# Altium PCB openmv-ae3.PcbDoc (part 2 of 7) (continued)
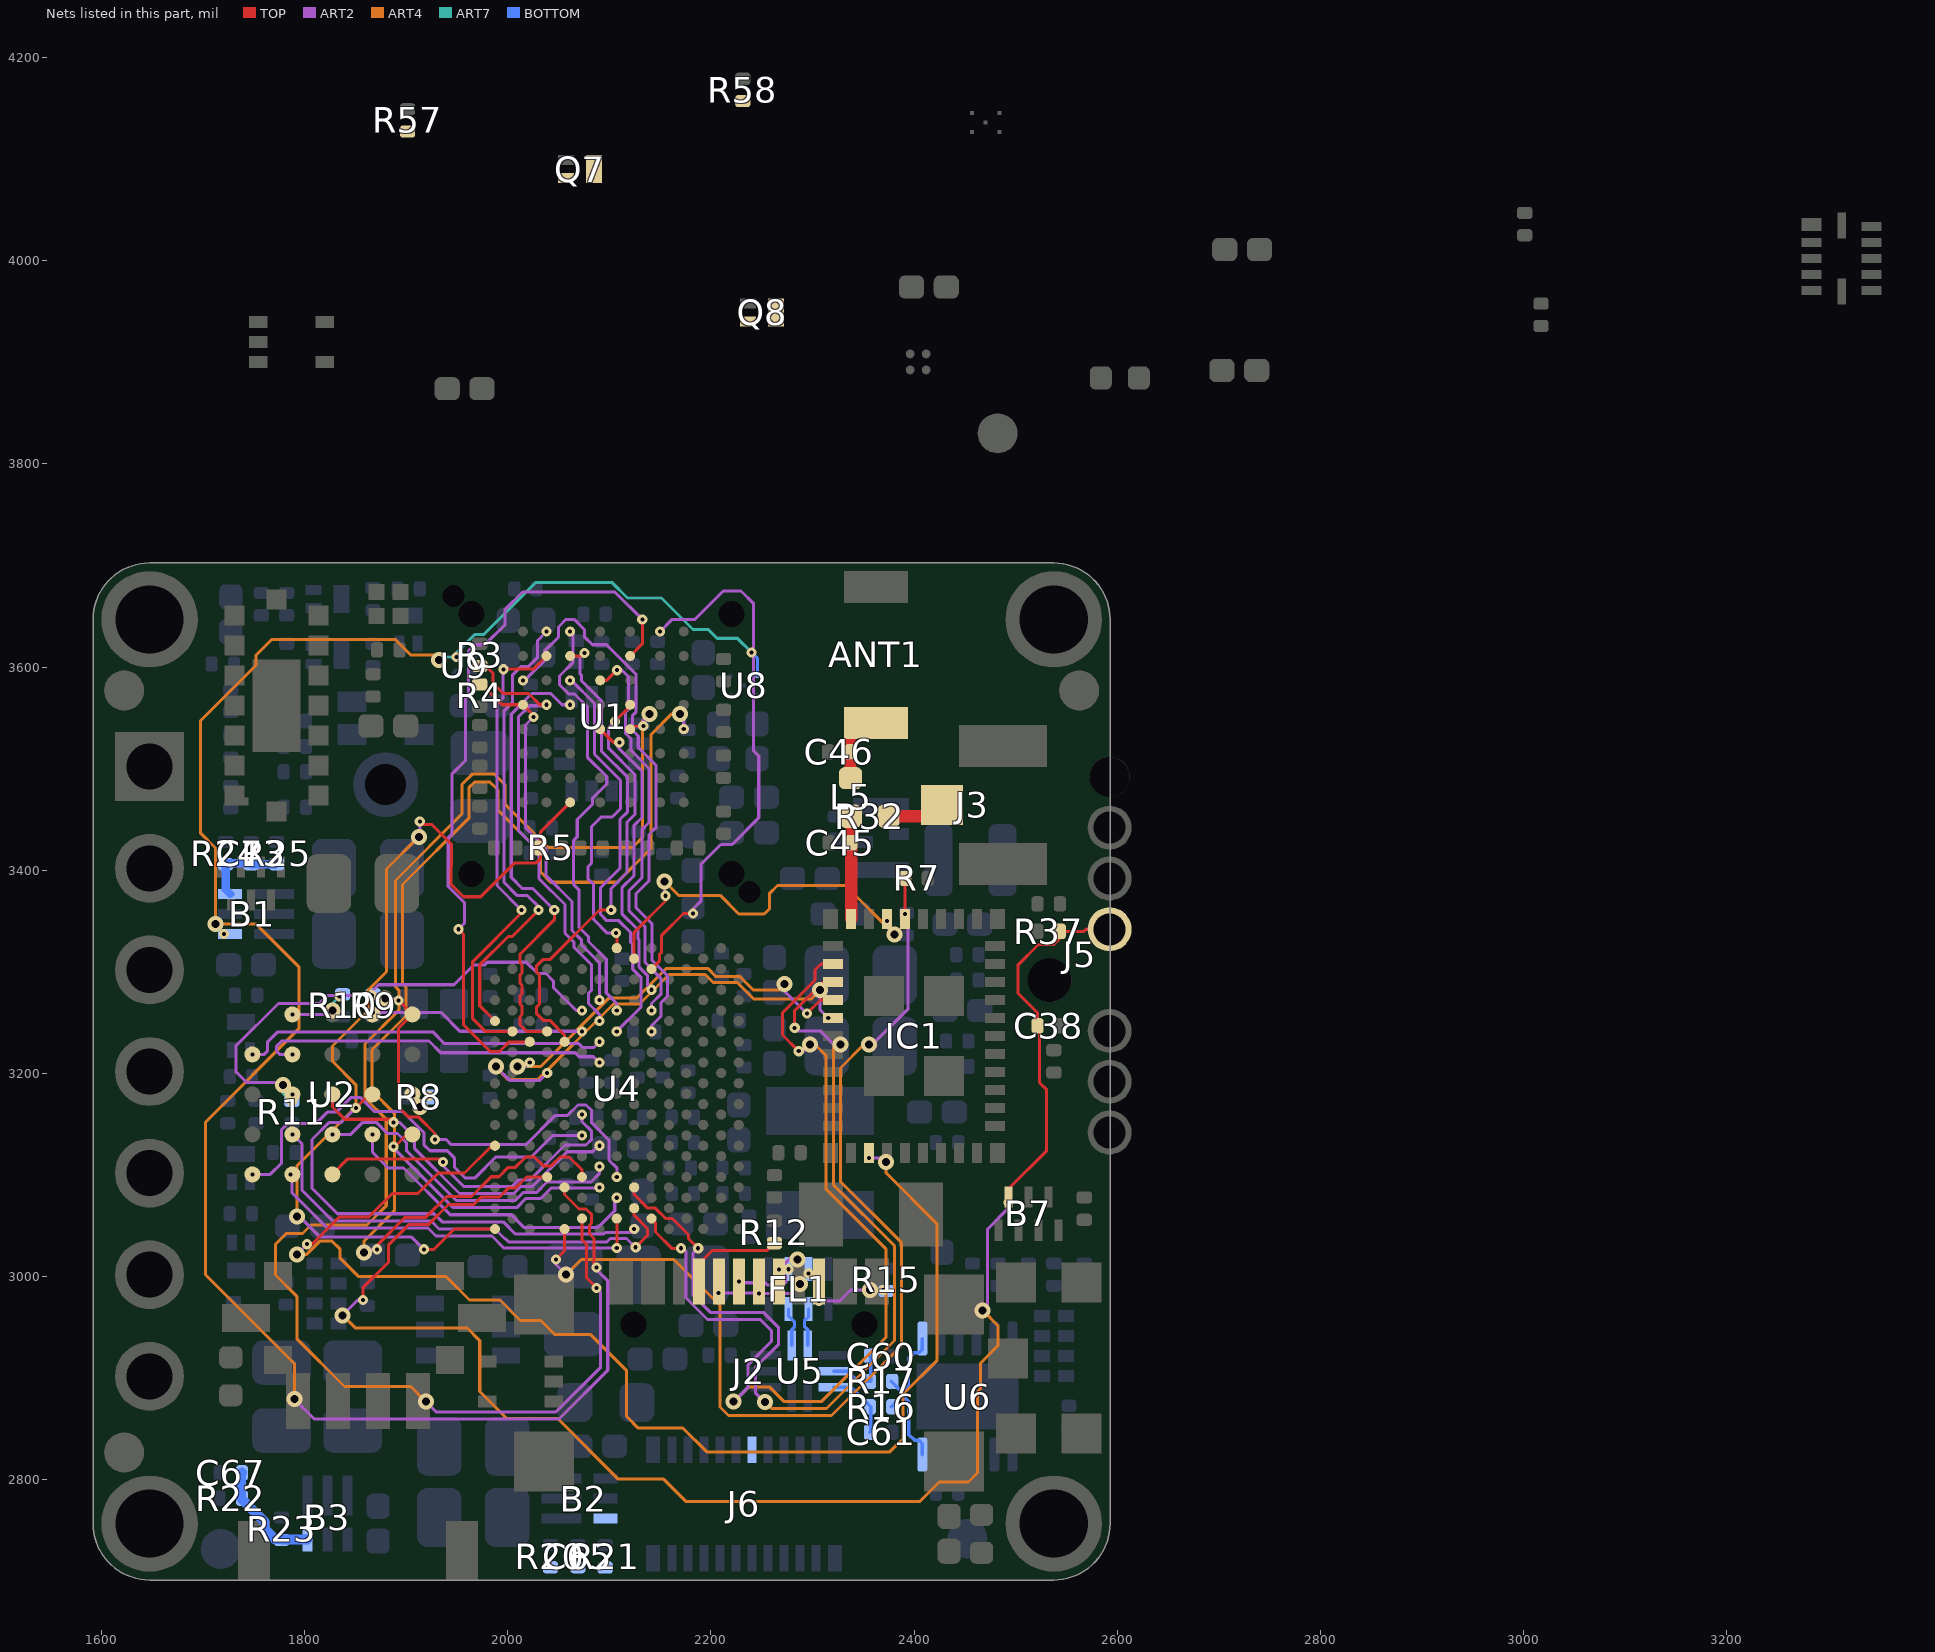
[diagram p8: the nets of this part, all layers, seen from the top]
## Part data (continued)
U4: library part E7_B0_CSP_208, "IC,Alif E7 MCU, Rev B silicon,CSP208", Manufacturer 1="Alif Semi", Manufacturer Part Number 1=AE722F80F55D5AS, MPN=AE302F80F55D5AE, Part Number=AE302F80F55D5AE
U5: library part TC7USB42MU,LF(S2E, MF=Toshiba, MPN=TC7USB42MU,LF(S2E, Part Number=TC7USB42MU,LF(S2E
U6: library part FT234XD-T, "USB Bridge, USB to UART USB 2.0 UART Interface 12-DFN _3x3_", MF=FTDI,, MPN=FT234XD-T, Part Number=FT234XD-T
U7: library part LSM6DSMTR, "Accelerometer, Gyroscope, Temperature, 6 Axis Sensor IÂ²C, SPI Output", PACKAGE="VFLGA-14 STMicroelectronics", AVAILABILITY=Unavailable, Component Type=Standard, Design Item ID=LSM6DSMTR, MF=STMicroelectronics, MP=LSM6DSMTR, MPN=LSM6DSMTR, Part Number=LSM6DSMTR, Pin Count=14, PRICE=None, SnapEDA_Link=https://www.snapeda.com/parts/LSM6DSMTR/STMicroelectronics/view-part/581716/?ref=snap, Source=SnapEDAsch.SchLib
U9 U10: library part AP22916CCA4-7, MF="Diodes Inc", MPN=AP22916CCA4-7, Part Number=AP22916CCA4-7
X1: "2.0X1.6X0.65MM 38.4MHZ CRYSTAL", MANUFACTURER_NAME="Murata Electronics", Datasheet Link=http://www.murata.com/products/productdata/8801066811422/SPEC-XRCGB38M400F4M00R0.pdf, Geometry.Height=0.7mm, MANUFACTURER_PART_NUMBER=XRCGB38M400F4M00R0, MPN=XRCGB38M400F4M00R0, Part Number=XRCGB38M400F4M00R0
Y1: library part SIT1533AI-H4-AA3-32.768E, "Crystal or Oscillator", MANUFACTURER_NAME=SiTime, Mouser Part Number=788-1533AIH4DCC32.76, Arrow Part Number=SiT1533AI-H4-DCC-32.768E, Datasheet Link=https://www.mouser.com/datasheet/2/371/SiT1533_datasheet-1324419.pdf, HEIGHT=0.6mm, MANUFACTURER_PART_NUMBER=SiT1533AI-H4-DCC-32.768E, Mouser Price/Stock=https://www.mouser.com/ProductDetail/SiTime/SiT1533AI-H4-DCC-32.768E?qs=5SDzjInHUKoUZz9ePr9JwA%3D%3D, MPN=SiT1533AI-H4-DCC-32.768E, Part Number=SiT1533AI-H4-DCC-32.768E
Y2: library part ABS07-32.768KHZ-7-T, "Check availability", PACKAGE="SMD-2 Abracon LLC", AVAILABILITY="In Stock", DeviceSetName=ABS07-32.768KHZ-7-T, GateName_1=G$1, LibraryName=ABS07-32.768KHZ-7-T, MF=Abracon, MP=ABS07-32.768KHZ-7-T, MPN=SC32S-7PF20PPM, Part Number=SC32S-7PF20PPM, PRICE=None, PURCHASE-URL=https://pricing.snapeda.com/search/part/ABS07-32.768KHZ-7-T/?ref=eda, SymbolName_1=ABS07-32.768KHZ-7-T
S2: MPN=KMS231GLFS, Part Number=KMS231GLFS
U1: MF=PixArt, MPN=PAG7936

## Free pads (board coordinates)
  round 95 hole 67: 1(1647.44,2756.91) 1(1647.44,3646.91) 1(2537.44,2756.91) 1(2537.44,3646.91)

## Via types
v1: diameter 10, hole 4, TOP to ART2, tented both sides, 779 vias
v2: diameter 10, hole 4, ART7 to BOTTOM, tented both sides, 590 vias
v3: diameter 15.75, hole 7.87, ART2 to ART7, 342 vias
v4: diameter 10, hole 4, ART7 to BOTTOM, tented bottom, 41 vias
v5: diameter 15.75, hole 7.87, TOP to BOTTOM, tented both sides, 13 vias
v6: diameter 10, hole 4, TOP to BOTTOM, tented both sides, 1 vias

## Nets (pads, with @x,y where several pads share a name; then routed paths per layer and width w, separated by ;. In a path a pad name is that pad's centre, name@x,y a point inside that pad or via, vN(x,y) a via of type N, cw(c..) or ccw(c..) an arc to the next point about the centre after c; other vN are vias at no path point)
ANT: C45.1 IC1.41 L5.2 R32.2 | length 101.4
  TOP w12: R32.2@2337.4,3453.16 2338.03,3452.53 C45.1@2338.03,3427.03 2338.03,3352.17 IC1.41@2337.93,3352.07
BL_USB_D_2_N: C60.2 R17.2 U5.4 | length 66.1
  BOTTOM w3.4: U5.4@2320.85,2906.91 2334.44,2906.91 2344.44,2896.91 2357.44,2896.91 2357.44,2920.91 C60.2@2356.44,2921.91
BL_USB_D_2_P: C61.2 R16.2 U5.5 | length 70
  BOTTOM w3.4: U5.5@2320.85,2891.16 2338.19,2891.16 2357.44,2871.91 2357.44,2847.91 C61.2@2356.44,2846.91
BL_USB_D_N: R17.1 U6.1 | length 76.6
  BOTTOM w3.4: R17.1@2377.44,2896.91 2385.44,2888.91 2390.44,2888.91 2394.44,2892.91 2394.44,2919.51 2399.84,2924.91 2404.75,2924.91 2408.15,2928.31 U6.1@2408.15,2939
BL_USB_D_P: R16.1 U6.12 | length 82.5
  BOTTOM w3.4: R16.1@2377.44,2871.91 2386.13,2880.6 2390.94,2880.6 2394.84,2876.7 2394.84,2844.51 2400.44,2838.91 2404.75,2838.91 2408.15,2835.51 U6.12@2408.15,2824.82
BT_D_WAKE: IC1.39 U4.J27 | length 384.8
  TOP w3: U4.J27@2124.45,3313.05 2124.45,3338.93 2155.81,3370.29 2155.81,3374.54 v1(2155.44,3374.91)
  ART2 w3: v3(2154.44,3388.91) 2154.44,3377.91 2155.44,3376.91 v1(2155.44,3374.91) ; v1(2373.44,3349.91) 2373.44,3343.91 v3(2380.44,3336.91)
  ART4 w3: v3(2154.44,3388.91) 2168.06,3375.29 2209.06,3375.29 2227.44,3356.91 2252.44,3356.91 2257.44,3361.91 2257.44,3376.91 2265.44,3384.91 2332.44,3384.91 v3(2380.44,3336.91)
BT_H_WAKE: IC1.38 R7.2 U4.E1 | length 1063.9
  TOP w3: v1(2047.44,3016.91) 2055.94,3025.41 U4.E1@2055.94,3046.91 ; IC1.38@2391.08,3352.07 v1(2391.08,3357.07) 2391.08,3390.55 R7.2@2392.44,3391.91
  ART2 w3: v1(2047.44,3016.91) 2047.44,3011.91 v3(2057.44,3001.91) ; v3(2355.44,3228.4) 2358.92,3228.4 2394.07,3263.55 2394.07,3354.08 v1(2391.08,3357.07)
  ART4 w3: v3(2057.44,3001.91) 2072.44,3016.91 2163.44,3016.91 2208.83,2971.52 2208.83,2871.6 2217.2,2863.23 2318.76,2863.23 2387.69,2932.16 2387.69,3033.23 2327.44,3093.48 2327.44,3205.4 2350.44,3228.4 v3(2355.44,3228.4)
BT_REG_ON: IC1.14 U4.A9 | length 1290.1
  TOP w3: v1(1802.44,3031.91) 1807.44,3031.91 1834.44,3058.91 1863.44,3058.91 1886.44,3081.91 1911.54,3081.91 1931.54,3101.91 1957.54,3101.91 1984.43,3128.8 U4.A9@1987.44,3128.8
  ART2 w3: v3(1792.44,3021.91) v1(1802.44,3031.91) ; v1(2355.44,3116.91) 2368.44,3116.91 v3(2372.44,3112.91)
  ART4 w3: v3(1792.44,3021.91) 1802.14,3021.91 1815.52,3035.29 1826.6,3035.29 1835.06,3026.83 1835.06,3018.21 1853.36,2999.91 1939.44,2999.91 1962.44,2976.91 1992.44,2976.91 2012.44,2956.91 2032.54,2956.91 2046.54,2942.91 2081.64,2942.91 2117.06,2907.49 2117.06,2862.37 2128.52,2850.91 2172.56,2850.91 2195.94,2827.53 2376,2827.53 2389.12,2840.65 2389.12,2884.09 2422.69,2917.66 2422.69,3051.66 2372.44,3101.91 v3(2372.44,3112.91)
BT_UART_CTS_N: IC1.5 U4.D16 | length 476.1
  TOP w3: v1(2315.44,3254.63) IC1.5@2320.22,3254.63
  ART2 w3: v3(1988.44,3206.91) 2002.44,3192.91 2031.28,3192.91 v1(2038.82,3200.45) ; v3(2307.44,3281.91) 2307.44,3262.63 v1(2315.44,3254.63)
  ART4 w3: v3(1988.44,3206.91) 1988.44,3205.91 2000.44,3193.91 2029.67,3193.91 2104.17,3268.41 2129.74,3268.41 2158.74,3297.41 2194.32,3297.41 2202.44,3289.29 2226.05,3289.29 2242.06,3273.3 2298.83,3273.3 v3(2307.44,3281.91)
BT_UART_RTS_N: IC1.4 U4.C17 | length 398.2
  TOP w3: v1(2294.44,3258.91) 2307.87,3272.34 IC1.4@2320.22,3272.34
  ART2 w3: v3(2009.44,3206.91) 2017.91,3206.91 v1(2021.69,3210.69) ; v3(2272.44,3287.91) 2272.44,3280.91 v1(2294.44,3258.91)
  ART4 w3: v3(2009.44,3206.91) 2032.44,3206.91 2099.94,3274.41 2127.25,3274.41 2156.25,3303.41 2196.81,3303.41 2204.93,3295.29 2228.56,3295.29 2241.94,3281.91 2267.44,3281.91 2272.44,3286.91 v3(2272.44,3287.91)
BT_UART_RX: IC1.3 U4.J5 | length 924.2
  TOP w3: U4.J5@2124.45,3087.85 2124.45,3080.82 2137.9,3067.37 2145.27,3067.37 2155.49,3057.15 2161.9,3057.15 2177.94,3041.11 2177.94,3037.41 v1(2187.44,3027.91) ; v1(2282.44,3244.91) 2282.44,3261.91 2310.59,3290.06 IC1.3@2320.22,3290.06
  ART2 w3: v1(2187.44,3027.91) 2182.44,3022.91 2182.44,2981.91 2199.47,2964.88 2251.55,2964.88 2266.64,2949.79 2266.64,2933.45 2243.66,2910.47 2243.66,2885.69 2252.74,2876.61 v3(2253.4,2876.61) ; v1(2282.44,3244.91) 2285.44,3241.91 2307.45,3241.91 2320.96,3228.4 v3(2327.44,3228.4)
  ART4 w3: v3(2253.4,2876.61) 2259.78,2870.23 2313.76,2870.23 2380.69,2937.16 2380.69,3030.33 2320.44,3090.58 2320.44,3225.4 2323.44,3228.4 v3(2327.44,3228.4)
BT_UART_TX: IC1.2 U4.K2 | length 925.3
  TOP w3: U4.K2@2141.57,3057.15 2145.44,3053.28 2145.44,3043.91 2161.44,3027.91 v1(2170.44,3027.91) ; v1(2286.44,3221.91) 2270.44,3237.91 2270.44,3259.81 2302.44,3291.81 2302.44,3301.91 2308.31,3307.78 IC1.2@2320.22,3307.78
  ART2 w3: v1(2170.44,3027.91) 2172.44,3027.91 2175.44,3024.91 2175.44,2979.01 2196.57,2957.88 2248.64,2957.88 2259.64,2946.88 2259.64,2936.35 2236.66,2913.37 2236.66,2891.13 v3(2222.44,2876.91) ; v1(2286.44,3221.91) 2290.95,3221.91 v3(2297.44,3228.4)
  ART4 w3: v3(2222.44,2876.91) 2237.07,2891.54 2257.39,2891.54 2271.7,2877.23 2309.09,2877.23 2372.44,2940.58 2372.44,3026.91 2313.44,3085.91 2313.44,3217.4 2302.44,3228.4 v3(2297.44,3228.4)
CC1: J2.A5 R12.2 | length 99.9
  TOP w3: J2.A5@2188.23,2995.37 2188.23,3012.7 2201.44,3025.91 2255.44,3025.91 R12.2@2262.44,3032.91
CC2: J2.B5 R15.2 | length 87.1
  TOP w3: J2.B5@2306.34,2995.37 2306.34,2978.01 2306.44,2977.91 v1(2306.44,2975.91)
  ART2 w3: v1(2306.44,2975.91) 2326.44,2975.91 2337.44,2986.91 v3(2356.44,2986.91)
  ART7 w3: v3(2356.44,2986.91) v2(2369.44,2986.91)
D1_N: FL1.3 J2.A7 J2.B7 | length 98.1
  ART2 w3.1: v1(2207.44,2983.91) 2246.75,2983.91 v1(2247.28,2983.38) 2277.91,2983.38 v3(2287.44,2992.91)
  ART7 w3.1: v3(2287.44,2992.91) 2296.12,3001.59 v2(2296.12,3003.29)
D1_P: FL1.2 J2.A6 J2.B6 | length 113.4
  TOP w3.1: J2.B6@2266.97,2995.37 v1(2266.97,3006.91)
  ART2 w3.1: v1(2227.6,2995.37) 2229.04,2993.93 2253.33,2993.93 2255.53,2991.73 2270.94,2991.73 2274.05,2994.84 2274.05,2999.83 v1(2266.97,3006.91) 2278.97,3018.91 2283.44,3018.91 v3(2285.44,3016.91)
  ART7 w3.1: v2(2276.44,3007.29) 2285.44,3016.29 v3(2285.44,3016.91)
D2_N: FL1.6 U5.2 | length 38.7
  BOTTOM w3.1: U5.2@2295.31,2932.32 2295.31,2947.88 2291.94,2951.25 2291.94,2956.41 2296.12,2960.59 FL1.6@2296.12,2967.91
D2_P: FL1.7 U5.1 | length 39.2
  BOTTOM w3.1: FL1.7@2276.44,2967.91 2276.44,2960.91 2282.32,2955.03 2282.32,2950.63 2279.57,2947.88 U5.1@2279.57,2932.32
DCMI_CLK: U1.C1 U4.K20 | length 564
  ART2 w3: v1(2014.99,3586.88) 2016.87,3586.88 2036.44,3606.45 2036.44,3615.91 2049.94,3629.41 2049.94,3639.41 2057.44,3646.91 2065.44,3646.91 2075.44,3636.91 2075.44,3629.91 2083.44,3621.91 2097.3,3621.91 2126.06,3593.15 2126.06,3555.53 2122.94,3552.41 2122.94,3537.55 2128.44,3532.05 2128.44,3520.75 2146.07,3503.12 2146.07,3442.26 2138.94,3435.13 2138.94,3389.53 2126.32,3376.91 2126.32,3363.11 2142.06,3347.37 2142.06,3311.29 2157.44,3295.91 2157.44,3276.28 2151.07,3269.91 2151.07,3256.54 2141.57,3247.04 v1(2141.57,3241.4)
DCMI_D0: U1.B5 U4.C19 | length 723.5
  TOP w3: v1(1951.44,3341.91) 1956.44,3336.91 1956.44,3247.91 1982.69,3221.66 1991.86,3221.66 2001.36,3231.16 U4.C19@2021.69,3231.16 ; U1.B5@2120.5,3610.9 2132.44,3622.84 v1(2132.44,3646.91)
  ART2 w3: v1(1951.44,3341.91) 1957.44,3347.91 1957.44,3367.91 1941.44,3383.91 1941.44,3431.91 1944.94,3435.41 1944.94,3494.42 1958.51,3507.99 1958.51,3568.98 1961.44,3571.91 1961.44,3615.91 1967.44,3621.91 1977.44,3621.91 1997.44,3641.91 1997.44,3656.91 2014.44,3673.91 2105.44,3673.91 v1(2132.44,3646.91)
DCMI_D1: U1.D5 U4.E19 | length 419.9
  TOP w3: U4.E19@2055.94,3231.16 2055.94,3237.72 2041.75,3251.91 2035.34,3251.91 2028.1,3259.15 2028.1,3265.08 2031.19,3268.17 2031.19,3297.01 2028.11,3300.09 2028.11,3305.55 2034.88,3312.32 2041.77,3312.32 2090.36,3360.91 v1(2101.82,3360.91) ; v1(2105.44,3546.45) 2120.5,3561.51 U1.D5@2120.5,3562.87
  ART2 w3: v1(2101.82,3360.91) 2101.82,3382.11 2117.48,3397.77 2117.48,3447.22 2125.07,3454.81 2125.07,3494.28 2099.33,3520.02 2099.33,3540.34 v1(2105.44,3546.45)
DCMI_D2: U1.B2 U4.B20 | length 469
  TOP w3: v1(1995.75,3597.78) 1996.48,3598.51 2000.84,3598.51 2001.44,3597.91 2025.22,3597.91 U1.B2@2038.21,3610.9 ; U4.B20@2004.57,3241.4 1977.95,3241.4 1965.44,3253.91 1965.44,3309.91 2013.44,3357.91 v1(2013.44,3360.91)
  ART2 w3: v1(1995.75,3597.78) 1995.49,3597.52 1995.49,3569.96 1989.44,3563.91 1989.44,3384.91 v1(2013.44,3360.91)
DCMI_D3: U1.A2 U4.A21 | length 457.4
  TOP w3: U4.A21@1987.44,3251.63 1972.44,3266.63 1972.44,3306.91 2000.19,3334.66 2004.19,3334.66 v1(2030.44,3360.91)
  ART2 w3: v1(2030.44,3360.91) 2030.44,3363.91 2019.44,3374.91 2009.44,3374.91 1996.44,3387.91 1996.44,3556.91 2004.49,3564.96 2004.49,3591.96 2012.91,3600.38 2020.22,3600.38 2029.44,3609.6 2029.44,3626.15 v1(2038.21,3634.92)
DCMI_D4: U1.D3 U4.D20 | length 448.3
  TOP w3: U4.D20@2038.82,3241.4 2018.48,3241.4 2012.19,3247.69 2012.19,3256.05 2014.07,3257.93 2014.07,3266.29 2012.19,3268.17 2012.19,3276.52 2014.07,3278.4 2014.07,3286.76 2012.19,3288.64 2012.19,3297 2014.07,3298.88 2014.07,3306.76 2012.19,3308.64 2012.19,3317.5 2045.82,3351.13 v1(2045.82,3360.91)
  ART2 w3: v1(2045.82,3360.91) 2024.82,3381.91 2014.58,3381.91 2003.44,3393.05 2003.44,3553.67 2023.68,3573.91 2042.44,3573.91 2053.48,3562.87 v1(2061.44,3562.87)
DCMI_D5: U1.C3 U4.H28 | length 321.2
  TOP w3: v1(2106.64,3338.1) 2107.32,3337.42 U4.H28@2107.32,3323.32
  ART2 w3: v1(2061.44,3586.88) 2062.47,3586.88 2085.33,3564.02 2085.33,3514.22 2111.07,3488.48 2111.07,3460.61 2102.83,3452.37 2091.98,3452.37 2082.44,3442.83 2082.44,3406.91 2078.94,3403.41 2078.94,3391.56 2084.32,3386.18 2084.32,3351.72 2097.94,3338.1 v1(2106.64,3338.1)
DCMI_D6: U1.A3 U4.H22 | length 433.2
  ART2 w3: v1(2061.44,3634.92) 2064.06,3632.3 2064.06,3604.36 2050.94,3591.24 2050.94,3582.53 2060.1,3573.37 2065.8,3573.37 2078.33,3560.84 2078.33,3511.32 2097.44,3492.21 2097.44,3484.91 2083.44,3470.91 2083.44,3464.91 2068.44,3449.91 2068.44,3432.91 2064.94,3429.41 2064.94,3385.76 2070.32,3380.38 2070.32,3343.64 2079.44,3334.52 2079.44,3329.91 2096.94,3312.41 2096.94,3279.28 2107.32,3268.9 v1(2107.32,3261.87)
DCMI_D7: U1.B3 U4.H20 | length 453.6
  TOP w3: U1.B3@2061.44,3610.9 2072.43,3610.9 v1(2075.44,3613.91)
  ART2 w3: v1(2075.44,3613.91) 2071.06,3609.53 2071.06,3593.29 2072.44,3591.91 2072.44,3586.81 2092.33,3566.92 2092.33,3517.12 2118.07,3491.38 2118.07,3457.71 2110.48,3450.12 2110.48,3401.91 2091.32,3382.75 2091.32,3356.56 2097.47,3350.41 2109.32,3350.41 2121.06,3338.67 2121.06,3328.91 2123.06,3326.91 2123.06,3302.57 2131.34,3294.29 2131.34,3265.42 v1(2107.32,3241.4)
DCMI_GPIO0: U1.E5 U4.F2 | length 1573.7
  TOP w3: U4.F2@2073.07,3057.15 2073.07,3036.28 2077.44,3031.91 2077.44,2998.91 v1(2087.44,2988.91) ; U1.E5@2120.5,3538.85 2123.06,3541.58 v1(2133.44,3541.91)
  ART2 w3: v3(1919.44,2876.91) 1929.44,2866.91 2047.44,2866.91 2091.44,2910.91 2091.44,2984.91 v1(2087.44,2988.91) ; v1(2133.44,3541.91) 2133.44,3547.91 v3(2139.44,3553.91)
  ART4 w3: v3(1919.44,2876.91) 1904.44,2891.91 1839.25,2891.91 1792.44,2938.72 1792.44,2980.6 1771.44,3001.6 1771.44,3031.91 1781.94,3042.41 1797.94,3042.41 1806.44,3050.91 1861.44,3050.91 1880.44,3069.91 1880.44,3154.91 1859.44,3175.91 1859.44,3228.91 1892.82,3262.29 1892.82,3281.91 1889.44,3285.29 1889.44,3389.91 1955.06,3455.53 1955.06,3484.54 1965.43,3494.91 1986.45,3494.91 1997.44,3483.92 1997.44,3464.64 2039.79,3422.29 2122.82,3422.29 2132.44,3431.91 2132.44,3546.91 v3(2139.44,3553.91)
DCMI_GPIO1: U1.E7 U4.F6 | length 1221.2
  TOP w3: v1(1871.44,3026.91) 1872.44,3027.91 1872.44,3031.91 1898.94,3058.41 1919.34,3058.41 1939.84,3078.91 1964.34,3078.91 1983.72,3098.29 1991.33,3098.29 2000.63,3107.59 2007.51,3107.59 2017.75,3117.83 2026.11,3117.83 2034.88,3109.06 2042.76,3109.06 2051.53,3117.83 2060.36,3117.83 2073.07,3105.12 U4.F6@2073.07,3098.09
  ART2 w3: v3(1858.44,3023.91) 1861.44,3026.91 v1(1871.44,3026.91) ; v3(2169.44,3553.91) 2173.25,3550.1 v1(2173.25,3538.85)
  ART4 w3: v3(1858.44,3023.91) 1858.44,3034.91 1888.44,3064.91 1888.44,3160.91 1866.44,3182.91 1866.44,3223.18 1899.82,3256.56 1899.82,3284.81 1896.44,3288.19 1896.44,3385.91 1962.06,3451.53 1962.06,3481.53 1967.44,3486.91 1982.44,3486.91 1990.44,3478.91 1990.44,3458.91 2032.44,3416.91 2032.44,3398.17 2042.44,3388.17 2107.89,3388.17 2141.06,3421.34 2141.06,3533.44 2161.53,3553.91 v3(2169.44,3553.91)
DCMI_HSYNC: U1.A6 U4.K26 | length 531.2
  TOP w3: U4.K26@2141.57,3302.82 2149.2,3310.45 2149.2,3316.99 2151.44,3319.23 2151.44,3335.91 2172.94,3357.41 v1(2182.44,3357.41)
  ART2 w3: v1(2150.03,3634.92) 2162.02,3646.91 2184.24,3646.91 2212.24,3674.91 2229.54,3674.91 2242.06,3662.39 2242.06,3517.39 2247.06,3512.39 2247.06,3451.53 2220.9,3425.37 2209.7,3425.37 2194.7,3410.38 2190.44,3406.12 2190.44,3369.91 2182.44,3361.91 v1(2182.44,3357.41)
DCMI_PCLK: U1.C4 U4.K22 | length 399.5
  TOP w3: U1.C4@2090.97,3586.88 2097.41,3586.88 v1(2107.44,3596.91)
  ART2 w3: v1(2107.44,3596.91) 2112.4,3596.91 2119.06,3590.25 2119.06,3558.43 2115.94,3555.31 2115.94,3534.65 2121.44,3529.15 2121.44,3517.85 2139.07,3500.22 2139.07,3446.91 2131.94,3439.78 2131.94,3392.43 2119.32,3379.81 2119.32,3360.21 2135.06,3344.47 2135.06,3309.29 2151.07,3293.28 2151.07,3278.4 2141.57,3268.9 v1(2141.57,3261.87)
DCMI_PWDN_N: B1.1 U4.E5 U8.3 U9.B2 | length 2036.5
  TOP w3: U4.E5@2055.94,3087.85 2055.94,3080.82 2070.11,3066.65 2077.01,3066.65 2082.57,3061.09 2082.57,3052.72 2080.44,3050.59 2080.44,3041.91 2084.82,3037.53 2084.82,3011.53 v1(2087.44,3008.91)
  ART2 w3: v3(1789.94,2879.41) 1809.44,2859.91 2050.44,2859.91 2098.44,2907.91 2098.44,2995.91 2087.44,3006.91 v1(2087.44,3008.91)
  ART4 w3: v3(1789.94,2879.41) 1789.94,2914.41 1702.44,3001.91 1702.44,3151.91 1794.44,3243.91 1794.44,3304.91 1752.44,3346.91 v3(1712.44,3346.91) 1712.44,3421.91 1697.44,3436.91 1697.44,3546.91 1752.44,3601.91 1752.44,3611.91 1767.44,3626.91 1889.44,3626.91 1904.44,3611.91 1927.44,3611.91 v3(1932.44,3606.91)
  ART7 w3: v3(1712.44,3346.91) 1712.44,3345.64 v2(1720.85,3337.23) ; v3(1932.44,3606.91) 1935.31,3609.78 v2(1949.57,3609.78) 1949.57,3614.04 1967.6,3632.07 1976.45,3632.07 2027.79,3683.41 2102.44,3683.41 2117.87,3667.98 2151.37,3667.98 2182.44,3636.91 2197.44,3636.91 2206.02,3628.33 2226.02,3628.33 v2(2239.94,3614.41)
  BOTTOM w3: v2(2239.94,3614.41) 2245.83,3608.52 U8.3@2245.83,3591.36
DCMI_RST_N: R5.2 U1.H3 U4.A1 | length 930.5
  TOP w3: v1(1913.44,3447.91) 1916.44,3444.91 1925.44,3444.91 1944.44,3425.91 1944.44,3403.91 1944.2,3402.7 1944.2,3386.12 1956.41,3373.91 1973.44,3373.91 2006.44,3406.91 2027.44,3406.91 2032.44,3411.91 2032.44,3421.91 2032.44,3437.8 U1.H3@2061.44,3466.8 ; v1(1917.44,3026.91) 1927.44,3026.91 1947.44,3046.91 U4.A1@1987.44,3046.91
  ART2 w3: v3(1792.44,3058.98) 1795.37,3058.98 1815.44,3038.91 1905.44,3038.91 v1(1917.44,3026.91) ; v3(1912.44,3432.91) 1913.44,3433.91 v1(1913.44,3447.91)
  ART4 w3: v3(1792.44,3058.98) 1792.44,3108.91 1850.44,3166.91 1850.44,3188.91 1827.44,3211.91 1827.44,3226.91 1862.44,3261.91 1862.44,3281.91 1880.72,3300.19 1880.72,3401.19 v3(1912.44,3432.91)
DCMI_SCL: Q8.2 R3.1 U1.D2 | length 455.3
  TOP w3: R3.1@1972.44,3601.91 1977.44,3601.91 1985.44,3593.91 1985.44,3583.91 1995.44,3573.91 2020.45,3573.91 2031.49,3562.87 v1(2038.21,3562.87)
  ART2 w3: v1(2038.21,3562.87) 2037.25,3561.91 2021.58,3561.91 2010.44,3550.77 2010.44,3439.01 2030.83,3418.62 2030.83,3391.76 2056.32,3366.27 2056.32,3338.04 2065.44,3328.92 2065.44,3323.91 2082.57,3306.78 2082.57,3282.04 2079.46,3278.93 2079.46,3268.92 2090.2,3258.18 v1(2090.2,3251.63)
DCMI_SCL_INT: Q8.3 R58.1 U4.G21
DCMI_SDA: Q7.2 R4.1 U1.D1 | length 379
  TOP w3: R4.1@1972.44,3581.91 1975.44,3581.91 1994.48,3562.87 U1.D1@2014.99,3562.87 2025.44,3552.42 v1(2025.44,3550.91)
  ART2 w3: v1(2025.44,3550.91) 2017.44,3542.91 2017.44,3441.91 2037.83,3421.52 2037.83,3394.66 2063.32,3369.17 2063.32,3340.73 2072.44,3331.61 2072.44,3326.91 2090.2,3309.15 v1(2090.2,3272.11)
DCMI_SDA_INT: Q7.3 R57.1 U4.G23
DCMI_VSYNC: U1.E4 U4.K24 | length 298.2
  TOP w3: U1.E4@2090.97,3538.85 2103.91,3525.91 v1(2109.83,3525.91)
  ART2 w3: v1(2109.83,3525.91) 2108.78,3524.86 2108.78,3520.61 2132.07,3497.32 2132.07,3451.91 2124.48,3444.32 2124.48,3394.87 2112.32,3382.71 2112.32,3357.31 2128.06,3341.57 2128.06,3332.91 2129.06,3331.91 2129.06,3305.06 2137.34,3296.78 2137.34,3286.57 v1(2141.57,3282.34)
DEBUG_RST_N: B7.7 C38.2 J5.3 J6.11 R37.1 U4.D6 | length 1678.4
  TOP w3: v1(1857.44,2976.91) 1857.44,2988.91 1882.44,3013.91 1882.44,3030.76 1903.09,3051.41 1922.24,3051.41 1941.74,3070.91 1966.44,3070.91 1973.88,3078.35 1991.86,3078.35 2000.63,3087.12 2007.52,3087.12 2018.49,3098.09 U4.D6@2038.82,3098.09 ; v1(2492.76,3072.91) B7.7@2492.76,3078.25 2492.76,3086.23 2530.44,3123.91 2530.44,3183.91 2523.44,3190.91 2523.44,3244.91 C38.2@2521.44,3246.91 2521.44,3259.71 2502.01,3279.14 2502.01,3306.48 2522.44,3326.91 2537.44,3326.91 2542.44,3331.91 2542.44,3339.91 2567.28,3339.91 2569.28,3341.91 2582.44,3341.91 J5.3@2592.44,3341.91
  ART2 w3: v3(1837.44,2961.91) 1852.44,2976.91 v1(1857.44,2976.91) ; v3(2467.44,2966.91) 2472.41,2971.88 2472.41,3046.88 2492.76,3067.23 v1(2492.76,3072.91)
  ART4 w3: v3(1837.44,2961.91) 1849.81,2949.54 1959.81,2949.54 1972.44,2936.91 1972.44,2886.91 1998.82,2860.53 2049.02,2860.53 2108.88,2800.67 2153.5,2800.67 2175.64,2778.53 2405.28,2778.53 2424.66,2797.91 2453.44,2797.91 2462.44,2806.91 2462.44,2886.91 2465.44,2889.91 2465.44,2914.91 2482.44,2931.91 2482.44,2951.91 v3(2467.44,2966.91)
FB_1V2: B1.3 C73.1 R24.1 R25.2 | length 83
  BOTTOM w8: B1.3@1726.85,3376.59 1722.44,3381 1722.44,3406.91 1746.44,3406.91 C73.1@1747.44,3405.91 1771.44,3405.91 R25.2@1772.44,3406.91
FB_1V8: B3.3 C67.1 R22.2 R23.2 | length 111.6
  BOTTOM w10: C67.1@1738.44,2806.91 1737.44,2805.91 1737.44,2781.91 1760.44,2758.91 1760.44,2751.91 1770.44,2741.91 1777.44,2741.91 1778.03,2741.32 B3.3@1802.76,2741.32
FB_3V3: B2.3 C65.1 R20.1 R21.2
FEED: ANT1.1 C46.1 L5.1 | length 72.6
  TOP w12: L5.1@2337.44,3490.61 2337.44,3516.4 C46.1@2337.26,3516.58 2337.26,3532.98 2349.26,3544.98 ANT1.1@2362.44,3544.98
FEED_DNP: J3.1 R32.1 | length 57.3
  TOP w12: R32.1@2374.8,3453.16 2416.15,3453.16 J3.1@2427.4,3464.41
FLASH_CS#: R11.1 U2.C2 U4.F22 | length 508.3
  ART2 w3: v1(1788.07,3179.41) v3(1779.01,3188.47) 1776.56,3190.92 1743.43,3190.92 1732.44,3201.91 1732.44,3226.91 1774.44,3268.91 1814.44,3268.91 1822.44,3276.91 1862.44,3276.91 1872.82,3287.29 1947.2,3287.29 1966.82,3306.91 1977.44,3306.91 1979.94,3309.41 2018.3,3309.41 2029.42,3298.29 2037.57,3298.29 2044.82,3291.04 2044.82,3284.53 2067.48,3261.87 v1(2073.07,3261.87)
  ART7 w3: v3(1779.01,3188.47) 1779.01,3180.34 v2(1787.44,3171.91)
FLASH_D0: U2.D3 U4.G7 | length 322.2
  ART2 w3: v1(1827.44,3140.04) 1845.56,3140.04 1857.43,3151.91 1870.44,3151.91 1881.44,3140.91 1891.44,3140.91 1900.44,3131.91 1900.44,3123.91 1949.44,3074.91 2007.29,3074.91 2015.26,3082.88 2028.41,3082.88 2038.65,3093.12 2082.03,3093.12 2090.2,3101.29 v1(2090.2,3108.33)
FLASH_D1: U2.D2 U4.J3 | length 462.2
  TOP w3: U4.J3@2124.45,3067.38 2124.45,3060.35 2137.44,3047.36 2137.44,3040.41 v1(2125.94,3028.91)
  ART2 w3: v1(1788.07,3140.04) 1797.44,3130.67 1797.44,3084.91 1827.44,3054.91 1924.44,3054.91 1932.44,3046.91 1987.44,3046.91 1996.82,3037.53 1997.44,3037.53 2000.94,3034.03 2097.44,3034.03 2100.94,3037.53 2116.82,3037.53 2125.44,3028.91 v1(2125.94,3028.91)
FLASH_D2: U2.C4 U4.J1 | length 463.5
  TOP w3: v1(1850.44,3165.91) 1863.94,3179.41 U2.C4@1866.81,3179.41
  ART2 w3: v1(1850.44,3165.91) 1836.44,3151.91 1824.44,3151.91 1807.44,3134.91 1807.44,3086.91 1832.44,3061.91 1927.44,3061.91 1935.44,3053.91 1995.44,3053.91 2007.44,3041.91 2094.44,3041.91 2096.06,3043.53 2121.07,3043.53 v1(2124.45,3046.91)
FLASH_D3: U2.D4 U4.H4 | length 307.1
  ART2 w3: v1(1866.81,3140.04) 1866.81,3122.54 1882.44,3106.91 1897.44,3106.91 1943.44,3060.91 2003.41,3060.91 2015.79,3048.53 2089.06,3048.53 2105.32,3064.79 2105.32,3075.62 v1(2107.32,3077.62)
FLASH_D4: U2.D5 U4.G5 | length 259.9
  TOP w3: v1(1887.44,3127.91) 1891.98,3131.09 1900.93,3140.04 U2.D5@1906.18,3140.04
  ART2 w3: v1(1887.44,3127.91) 1887.44,3126.91 1946.44,3067.91 2008.78,3067.91 2017.75,3076.88 2032.41,3076.88 2042.65,3087.12 2089.47,3087.12 v1(2090.2,3087.85)
FLASH_D5: U2.E3 U4.F12 | length 322.4
  TOP w3: U2.E3@1827.44,3100.67 1842.68,3115.91 1933.44,3115.91 v1(1936.44,3112.91)
  ART2 w3: v1(1936.44,3112.91) 1936.44,3108.91 1956.44,3088.91 2004.31,3088.91 2010.31,3094.91 2021.72,3094.91 2056.35,3129.54 2077.01,3129.54 2082.57,3135.1 2082.57,3142.98 2073.07,3152.48 v1(2073.07,3159.51)
FLASH_D6: U2.E2 U4.H2 | length 390.1
  TOP w3: v1(2107.32,3028.03) U4.H2@2107.32,3057.15
  ART2 w3: v1(1786.07,3100.67) 1787.44,3099.3 1787.44,3082.9 1822.43,3047.91 1921.44,3047.91 1929.44,3039.91 1984.44,3039.91 1996.32,3028.03 v1(2107.32,3028.03)
FLASH_D7: U2.E1 U4.F10 | length 437.8
  ART2 w3: v1(1748.7,3100.67) 1766.2,3100.67 1777.44,3111.91 1777.44,3144.91 1783.44,3150.91 1811.44,3150.91 1822.44,3161.91 1831.36,3161.91 1845.86,3176.41 1854.8,3176.41 1868.8,3162.41 1896.94,3162.41 1917.44,3141.91 1917.44,3129.91 1923.44,3123.91 1940.44,3123.91 1947.44,3116.91 1947.44,3107.91 1958.44,3096.91 1967.44,3096.91 1988.44,3117.91 2023.44,3117.91 2044.57,3139.04 v1(2073.07,3139.04)
FLASH_DQSM: U2.C3 U4.G9 | length 336.3
  TOP w3: U2.C3@1827.44,3179.41 1827.44,3166.91 1839.44,3154.91 1884.44,3154.91 v1(1887.44,3151.91)
  ART2 w3: v1(1887.44,3151.91) 1893.44,3151.91 1908.44,3136.91 1908.44,3125.91 1952.44,3081.91 2005.8,3081.91 2012.77,3088.88 2024.41,3088.88 2058.44,3122.91 2083.44,3122.91 2089.33,3128.8 v1(2090.2,3128.8)
FLASH_INT#: R9.1 U2.A5 U4.H6 | length 447.5
  TOP w3: v1(1892.44,3271.89) U2.A5@1906.18,3258.15 1892.44,3244.41 1892.44,3166.91 1902.44,3156.91 1912.44,3156.91 1928.44,3140.91 v1(1928.44,3134.91)
  ART2 w3: v3(1879.44,3273.91) 1890.42,3273.91 v1(1892.44,3271.89) ; v1(1928.44,3134.91) 1939.44,3134.91 1944.44,3129.91 2017.96,3129.91 2046.82,3158.77 2058.88,3158.77 2069.12,3169.01 2077.01,3169.01 2082.57,3163.45 2082.57,3151.48 2099.7,3134.35 2099.7,3114.65 2107.32,3107.03 v1(2107.32,3098.09)
  ART7 w3: v2(1866.44,3276.91) 1876.44,3276.91 v3(1879.44,3273.91)
FLASH_RST#: U2.A4 U4.F20 | length 213.3
  ART2 w3: v1(1867.44,3259.91) 1934.44,3259.91 1952.82,3241.53 2072.94,3241.53 v1(2073.07,3241.4)
FLASH_RSTO#: R10.1 U2.A2 | length 57.8
  ART2 w3: v1(1788.07,3258.15) 1823.68,3258.15 v3(1827.44,3261.91)
  ART7 w3: v3(1827.44,3261.91) 1827.44,3268.91 v2(1834.44,3275.91)
FLASH_SCLK_N: U2.B1 U4.G19 | length 364.6
  ART2 w3.1: v1(1748.7,3218.78) 1760.31,3218.78 1763.44,3221.91 1763.44,3230.64 1773.71,3240.91 1926.17,3240.91 1937.73,3229.35 2070.01,3229.35 2073.93,3225.43 2084.47,3225.43 v1(2090.2,3231.16)
FLASH_SCLK_P: U2.B2 U4.G17 | length 350.5
  ART2 w3.1: v1(1788.07,3218.78) 1775.57,3218.78 1772.44,3221.91 1772.44,3226.91 1777.44,3231.91 1922.44,3231.91 1934,3220.35 2066.28,3220.35 2070.2,3216.43 2084.46,3216.43 v1(2090.2,3210.69)
FLASH_WP#: R8.1 U2.C5 | length 28.8
  ART2 w3: v1(1907.18,3178.41) 1913.44,3172.15 v3(1913.44,3166.91)
  ART7 w3: v3(1913.44,3166.91) 1922.44,3175.91 v2(1922.44,3177.91)